# Altium PCB PCB_Kasli.PCBDOC (part 14 of 14)
Units mm, origin at the board's own origin, x right, y up, seen from the top; angles counter-clockwise.
Board outline 162.29 x 100 mm, 6 copper layers (TopLayer, MidLayer1, MidLayer2, SignalLayer1, Internal Plane 1, BottomLayer), stack 1.528 mm thick; 646 components, 567 nets, 2756 pads, 1560 vias.
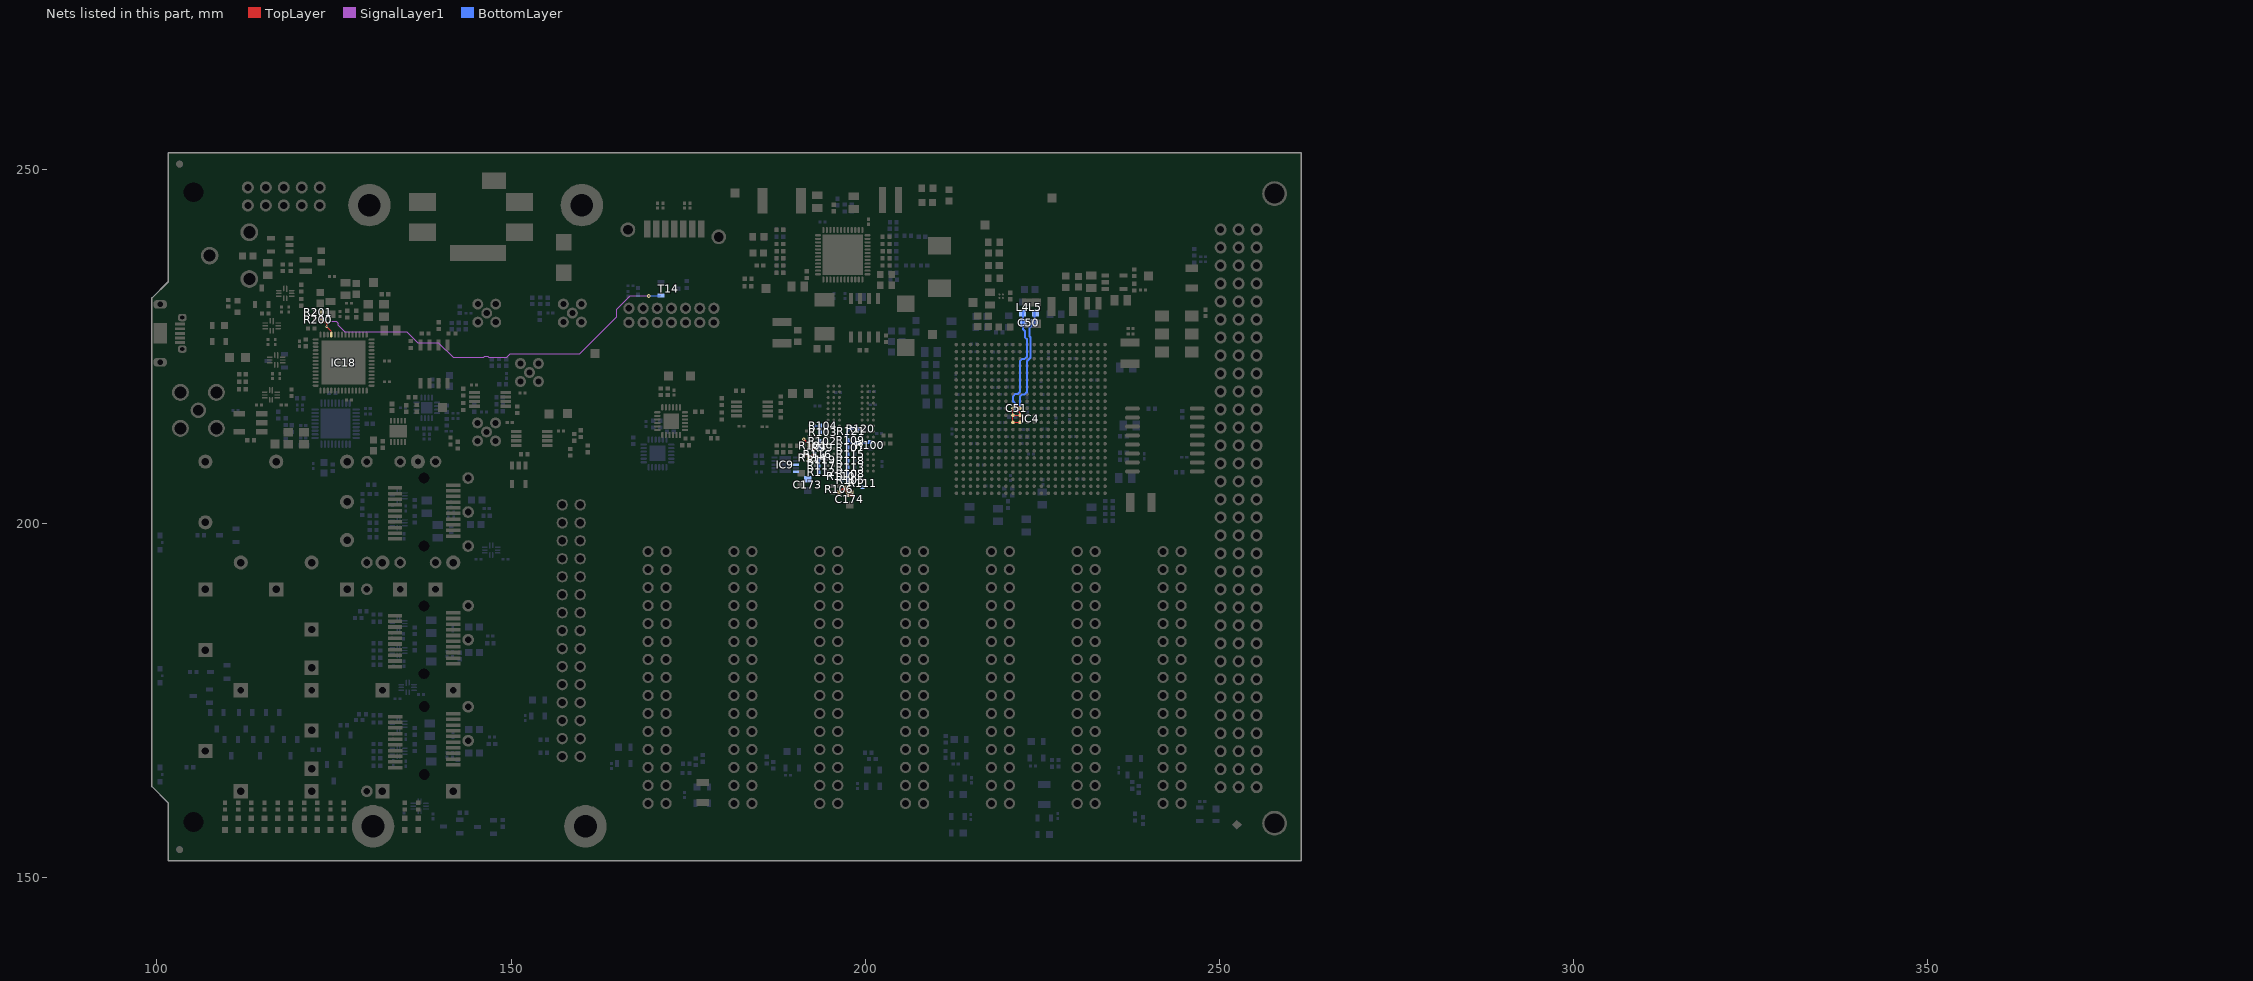
[diagram p18: the nets of this part, all layers, seen from the top]

## Via types
v1: diameter 0.5, hole 0.2, TopLayer to BottomLayer, tented both sides, 724 vias
v2: diameter 0.35, hole 0.15, TopLayer to BottomLayer, tented both sides, 628 vias
v3: diameter 0.8, hole 0.5, TopLayer to BottomLayer, tented both sides, 122 vias
v4: diameter 0.8, hole 0.5, TopLayer to BottomLayer, 66 vias
v5: diameter 0.5, hole 0.2, TopLayer to BottomLayer, 20 vias

## Nets (pads, with @x,y where several pads share a name; then routed paths per layer and width w, separated by ;. In a path a pad name is that pad's centre, name@x,y a point inside that pad or via, vN(x,y) a via of type N, cw(c..) or ccw(c..) an arc to the next point about the centre after c; other vN are vias at no path point) (continued)
VTT_DDR3: C173.2 C174.2 IC9.3 IC9.5 R99.2 R100.2 R101.2 R102.2 R103.2 R104.2 R105.2 R106.2 R107.2 R108.2 R109.2 R110.2 R111.2 R112.2 R113.2 R114.2 R115.2 R116.2 R117.2 R118.2 R119.2 R120.1 R121.1 | length 22.8
  TopLayer w0.2: v1(191.35,211.975) 192.18,211.145 R101.2@192.18,211.05 192.725,210.505 192.725,209.895 R114.2@192.13,209.3 v1(191.555,209.875)
  TopLayer w0.3: R106.2@196.35,204.43 197.145,205.225 v1(197.425,205.225) ; 197.025,204.925 197.425,204.925
  TopLayer w0.5: v1(197.425,205.225) 197.425,204.925 197.425,204.625 C174.2@197.8,204.25
  BottomLayer w0.15: 192.888,213.639 192.889,213.641 192.889,213.879 192.893,213.875 R104.2@193.605,213.875 R103.2@193.605,212.95
  BottomLayer w0.2: R109.2@197.53,211.775 198.029,211.276 198.824,211.276 199.034,211.485 199.759,211.485 199.834,211.41 200.705,211.41 R100.2@200.705,211.581
  BottomLayer w0.25: R112.2@193.405,207.275 R117.2@193.405,208.175 R119.2@193.405,209.05 ; R109.2@197.425,211.805 197.425,212.945 R121.1@198.025,213.545 R120.1@198.785,213.545 ; R105.2@197.53,206.175 R108.2@197.53,207.075 R113.2@197.53,208 R118.2@197.53,208.925 R115.2@197.53,209.85 R107.2@197.53,210.775 R109.2@197.53,211.7
VUSB_PRESENT: IC18.11 R200.2 R201.2 T14.1 | length 58.2
  TopLayer w0.125: R201.2@123.279,229.87 R200.2@123.279,228.854 123.983,228.15 v2(123.983,227.846) ; v2@123.95,227.881 v2(123.983,227.846) ; IC18.11@124.615,226.708 124.615,227.175 123.944,227.846 v2(123.983,227.846)
  SignalLayer1 w0.125: v2(123.983,227.846) 123.983,228.183 124.407,228.607 125.343,228.607 125.6,228.35 125.6,228.025 126.525,227.1 135.3,227.1 136.8,225.6 139.75,225.6 141.85,223.5 146.146,223.5 146.308,223.663 146.692,223.663 146.854,223.5 149.4,223.5 149.9,224 159.7,224 164.925,229.225 164.925,230.293 166.807,232.175 v1(169.45,232.175)
  BottomLayer w0.125: v1(169.45,232.175) 171.075,232.175 T14.1@171.15,232.25
XADC_GND: C50.1 C51.1 IC4.K9 IC4.L9 IC4.L10 IC4.M9 IC4.M10 L5.2 | length 21.4
  TopLayer w0.125: IC4.K9@220.872,216.315 IC4.L9@220.872,215.315 ; IC4.M10@221.9,214.3 IC4.M10@221.885,214.315 ; IC4.L9@220.872,215.315 IC4.M9@220.872,214.315 IC4.M10@221.872,214.315 IC4.M10@221.885,214.315 ; IC4.L9@220.872,215.315 IC4.L10@221.872,215.315 221.872,214.328 IC4.M10@221.885,214.315
  TopLayer w0.2: v2(221.387,215.8) 221.7,215.8 221.875,215.625 221.872,215.622 IC4.L10@221.872,215.315
  BottomLayer w0.2: v2(221.387,215.8) 221.387,215.859 221.805,216.277 C51.1@221.847,216.325
  BottomLayer w0.3: C51.1@221.847,216.325 221.847,217.962 222.175,218.29 222.519,218.29 222.85,218.621 222.85,222.95 223.339,223.439 223.339,226.359 223.201,226.496 223.201,227.705 223.9,228.404 L5.2@223.9,229.902
XADC_VCC: C50.2 C51.2 IC4.K10 L4.2 | length 16.1
  TopLayer w0.125: v2(221.361,216.836) 221.361,216.826 IC4.K10@221.872,216.315
  BottomLayer w0.2: C51.2@221.05,216.368 221.361,216.679 v2(221.361,216.836)
  BottomLayer w0.27: 220.897,217.299 220.897,218.012 221.225,218.34
  BottomLayer w0.28: 220.897,217.299 v2(221.361,216.836) ; 221.225,218.34 221.569,218.34
  BottomLayer w0.3: C51.2@221.05,216.325 C51.2@221.05,216.368 ; 221.569,218.34 221.847,218.618 221.847,222.962 222.175,223.29 222.519,223.29 222.847,223.618 222.847,226.048 222.548,226.348 222.548,227.225 222.298,227.475 222.298,229.9 L4.2@222.338,229.94
pads on no net: FTG1.FTG2 FTG2.1 FTG3.FTG2 FTG4.FTG2 FTG5.FTG2 FTG6.1 IC2.2 IC2.3 IC2.4 IC2.9 IC2.11 IC2.14 IC2.15 IC2.27 IC2.30 IC2.33 IC3.4 IC4.E3 IC4.F4 IC4.F21 IC4.T3 IC4.W19 IC4.Y17 IC5.5 IC8.J1 IC8.J9 IC8.L1 IC8.L9 IC8.M7 IC18.17 IC18.18 IC18.19 IC18.20 IC18.25 IC18.28 IC18.29 IC18.30 IC18.34 IC18.35 IC18.37 IC18.38 IC18.39 IC18.40 IC18.54 IC21.7 J8.12 J8.14 J21A.MTG1 J21A.MTG2 J21B.MTG1 J21B.MTG2 J21C.MTG1 J21C.MTG2 J22.MECH1 J22.MECH2 J23.4 J23.PastePad LD11A.3 LD11B.3 LD11C.3 OSC2.1 U2.3 U2.4 U2.5 U2.6 U2.11 U2.12 U2.13
copper on no net: | length 11798.1
  TopLayer w0.025: 272.391,152.512 335.926,216.047 ; 272.391,154.036 334.402,216.047 ; 272.391,155.56 332.878,216.047 ; 272.391,157.084 331.354,216.047 ; 272.391,158.608 329.83,216.047 ; 272.391,160.132 328.306,216.047 ; 272.391,161.656 326.782,216.047 ; 272.391,163.18 325.258,216.047 ; 272.391,164.704 323.734,216.047 ; 272.391,166.228 322.21,216.047 ; 272.391,167.752 320.686,216.047 ; 272.391,169.276 319.162,216.047 ; 272.391,170.8 317.638,216.047 ; 272.391,172.324 316.114,216.047 ; 272.391,173.848 314.59,216.047 ; 272.391,175.372 313.066,216.047 ; 272.39,176.896 311.542,216.047 ; 272.39,178.42 310.018,216.047 ; 272.39,179.944 308.494,216.047 ; 272.39,181.468 306.97,216.047 ; 272.39,182.992 305.446,216.047 ; 272.39,184.516 303.922,216.047 ; 272.39,186.04 302.398,216.047 ; 272.39,187.564 300.874,216.047 ; 272.39,189.088 299.35,216.047 ; 272.39,190.612 297.826,216.047 ; 272.39,192.136 296.302,216.047 ; 272.39,193.66 294.778,216.047 ; 272.39,195.184 293.254,216.047 ; 272.39,196.708 291.73,216.047 ; 272.39,198.232 290.206,216.047 ; 272.39,199.756 288.682,216.047 ; 272.485,151.083 337.45,216.047 ; 273.247,150.321 338.974,216.047 ; 274.009,149.559 340.498,216.047 ; 274.057,145.034 345.07,216.047 ; 274.057,146.558 343.546,216.047 ; 274.057,148.082 342.022,216.047 ; 274.057,202.946 287.158,216.047 ; 274.057,204.47 285.634,216.047 ; 274.057,205.994 284.11,216.047 ; 274.057,207.518 282.586,216.047 ; 274.057,209.042 281.062,216.047 ; 274.057,210.566 279.538,216.047 ; 274.057,212.09 278.014,216.047 ; 274.057,213.614 276.49,216.047 ; 274.057,215.138 274.966,216.047 ; 274.124,143.577 346.594,216.047 ; 275.648,143.577 348.118,216.047 ; 277.172,143.577 349.642,216.047 ; 278.696,143.577 351.166,216.047 ; 280.22,143.577 352.69,216.047 ; 281.744,143.577 354.214,216.047 ; 283.268,143.577 355.738,216.047 ; 284.792,143.577 357.262,216.047 ; 286.316,143.577 358.786,216.047 ; 287.84,143.577 360.31,216.047 ; 289.364,143.577 361.834,216.047 ; 290.888,143.577 363.358,216.047 ; 292.412,143.577 364.882,216.047 ; 293.936,143.577 366.406,216.047 ; 295.46,143.577 367.93,216.047 ; 296.984,143.577 369.454,216.047 ; 298.508,143.577 370.978,216.047 ; 300.032,143.577 372.502,216.047 ; 301.556,143.577 374.026,216.047 ; 303.08,143.577 375.55,216.047 ; 304.604,143.577 377.074,216.047 ; 306.128,143.577 378.598,216.047 ; 307.652,143.577 380.122,216.047 ; 309.176,143.577 381.646,216.047 ; 310.7,143.577 383.17,216.047 ; 312.224,143.577 384.694,216.047 ; 313.748,143.577 386.218,216.047 ; 315.272,143.577 387.742,216.047 ; 316.796,143.577 389.266,216.047 ; 318.32,143.577 389.961,215.219 ; 319.844,143.577 389.961,213.695 ; 321.368,143.577 389.961,212.171 ; 322.892,143.577 389.961,210.647 ; 324.416,143.577 389.961,209.123 ; 325.94,143.577 389.961,207.599 ; 327.464,143.577 389.961,206.075 ; 328.988,143.577 389.961,204.551 ; 330.512,143.577 389.961,203.027 ; 332.036,143.577 389.961,201.503 ; 333.56,143.577 389.961,199.979 ; 335.084,143.577 389.961,198.455 ; 336.608,143.577 389.961,196.931 ; 338.132,143.577 389.961,195.407 ; 339.656,143.577 389.961,193.883 ; 341.18,143.577 389.961,192.359 ; 342.704,143.577 389.961,190.835 ; 344.228,143.577 389.961,189.311 ; 345.752,143.577 389.961,187.787 ; 347.276,143.577 389.961,186.263 ; 348.8,143.577 389.961,184.739 ; 350.324,143.577 389.961,183.215 ; 351.848,143.577 389.961,181.691 ; 353.372,143.577 389.961,180.167 ; 354.896,143.577 389.961,178.643 ; 356.42,143.577 389.961,177.119 ; 357.944,143.577 389.961,175.595 ; 359.468,143.577 389.961,174.071 ; 360.992,143.577 389.961,172.547 ; 361.521,217.311 364.053,219.843 367.101,222.891 370.149,225.939 373.197,228.987 376.245,232.035 379.293,235.083 382.341,238.131 385.389,241.179 388.437,244.227 389.961,245.751 ; 361.521,218.835 362.529,219.843 365.577,222.891 368.625,225.939 371.673,228.987 374.721,232.035 377.769,235.083 380.817,238.131 383.865,241.179 386.913,244.227 389.961,247.275 ; 361.521,220.359 364.053,222.891 367.101,225.939 370.149,228.987 373.197,232.035 376.245,235.083 379.293,238.131 382.341,241.179 385.389,244.227 388.437,247.275 389.961,248.799 ; 361.521,221.883 362.529,222.891 365.577,225.939 368.625,228.987 371.673,232.035 374.721,235.083 377.769,238.131 380.817,241.179 383.865,244.227 386.913,247.275 389.961,250.323 ; 361.521,223.407 364.053,225.939 367.101,228.987 370.149,232.035 373.197,235.083 376.245,238.131 379.293,241.179 382.341,244.227 385.389,247.275 388.437,250.323 389.961,251.847 ; 361.521,224.931 362.529,225.939 365.577,228.987 368.625,232.035 371.673,235.083 374.721,238.131 377.769,241.179 380.817,244.227 383.865,247.275 386.913,250.323 389.961,253.371 ; 361.521,226.455 364.053,228.987 367.101,232.035 370.149,235.083 373.197,238.131 376.245,241.179 379.293,244.227 382.341,247.275 385.389,250.323 388.437,253.371 389.961,254.895 ; 361.521,227.979 362.529,228.987 365.577,232.035 368.625,235.083 371.673,238.131 374.721,241.179 377.769,244.227 380.817,247.275 383.865,250.323 386.913,253.371 389.961,256.419 ; 361.521,229.503 364.053,232.035 367.101,235.083 370.149,238.131 373.197,241.179 376.245,244.227 379.293,247.275 382.341,250.323 385.389,253.371 388.437,256.419 389.961,257.943 ; 361.521,231.027 362.529,232.035 365.577,235.083 368.625,238.131 371.673,241.179 374.721,244.227 377.769,247.275 380.817,250.323 383.865,253.371 386.913,256.419 389.961,259.467 ; 361.521,232.551 364.053,235.083 367.101,238.131 370.149,241.179 373.197,244.227 376.245,247.275 379.293,250.323 382.341,253.371 385.389,256.419 388.437,259.467 389.961,260.991 ; 361.521,234.075 362.529,235.083 365.577,238.131 368.625,241.179 371.673,244.227 374.721,247.275 377.769,250.323 380.817,253.371 383.865,256.419 386.913,259.467 389.961,262.515 ; 361.521,235.599 364.053,238.131 367.101,241.179 370.149,244.227 373.197,247.275 376.245,250.323 379.293,253.371 382.341,256.419 385.389,259.467 388.437,262.515 ; 361.521,237.123 362.529,238.131 365.577,241.179 368.625,244.227 371.673,247.275 374.721,250.323 377.769,253.371 380.817,256.419 383.865,259.467 386.913,262.515 ; 361.521,238.647 364.053,241.179 367.101,244.227 370.149,247.275 373.197,250.323 376.245,253.371 379.293,256.419 382.341,259.467 385.389,262.515 ; 361.521,240.171 362.529,241.179 365.577,244.227 368.625,247.275 371.673,250.323 374.721,253.371 377.769,256.419 380.817,259.467 383.865,262.515 ; 361.521,241.695 364.053,244.227 367.101,247.275 370.149,250.323 373.197,253.371 376.245,256.419 379.293,259.467 382.341,262.515 ; 361.521,243.219 362.529,244.227 365.577,247.275 368.625,250.323 371.673,253.371 374.721,256.419 377.769,259.467 380.817,262.515 ; 361.521,244.743 364.053,247.275 367.101,250.323 370.149,253.371 373.197,256.419 376.245,259.467 379.293,262.515 ; 361.521,246.267 362.529,247.275 365.577,250.323 368.625,253.371 371.673,256.419 374.721,259.467 377.769,262.515 ; 361.521,247.791 364.053,250.323 367.101,253.371 370.149,256.419 373.197,259.467 376.245,262.515 ; 361.521,249.315 362.529,250.323 365.577,253.371 368.625,256.419 371.673,259.467 374.721,262.515 ; 361.521,250.839 364.053,253.371 367.101,256.419 370.149,259.467 373.197,262.515 ; 361.521,252.363 362.529,253.371 365.577,256.419 368.625,259.467 371.673,262.515 ; 361.521,253.887 364.053,256.419 367.101,259.467 370.149,262.515 ; 361.521,255.411 362.529,256.419 365.577,259.467 368.625,262.515 ; 361.521,256.935 364.053,259.467 367.101,262.515 ; 361.521,258.459 362.529,259.467 365.577,262.515 ; 361.521,259.983 364.053,262.515 ; 361.521,261.507 362.529,262.515 ; 362.516,143.577 389.961,171.023 ; 362.529,216.795 365.577,219.843 368.625,222.891 371.673,225.939 374.721,228.987 377.769,232.035 380.817,235.083 383.865,238.131 386.913,241.179 389.961,244.227 ; 364.04,143.577 389.961,169.499 ; 364.053,216.795 367.101,219.843 370.149,222.891 373.197,225.939 376.245,228.987 379.293,232.035 382.341,235.083 385.389,238.131 388.437,241.179 389.961,242.703 ; 365.564,143.577 389.961,167.975 ; 365.577,216.795 368.625,219.843 371.673,222.891 374.721,225.939 377.769,228.987 380.817,232.035 383.865,235.083 386.913,238.131 389.961,241.179 ; 367.088,143.577 389.961,166.451 ; 367.101,216.795 370.149,219.843 373.197,222.891 376.245,225.939 379.293,228.987 382.341,232.035 385.389,235.083 388.437,238.131 389.961,239.655 ; 368.612,143.577 389.961,164.927 ; 368.625,216.795 371.673,219.843 374.721,222.891 377.769,225.939 380.817,228.987 383.865,232.035 386.913,235.083 389.961,238.131 ; 370.136,143.577 389.961,163.403 ; 370.149,216.795 373.197,219.843 376.245,222.891 379.293,225.939 382.341,228.987 385.389,232.035 388.437,235.083 389.961,236.607 ; 371.66,143.577 389.961,161.879 ; 371.673,216.795 374.721,219.843 377.769,222.891 380.817,225.939 383.865,228.987 386.913,232.035 389.961,235.083 ; 373.184,143.577 389.961,160.355 ; 373.197,216.795 376.245,219.843 379.293,222.891 382.341,225.939 385.389,228.987 388.437,232.035 389.961,233.559 ; 374.708,143.577 389.961,158.831 ; 374.721,216.795 377.769,219.843 380.817,222.891 383.865,225.939 386.913,228.987 389.961,232.035 ; 376.232,143.577 389.961,157.307 ; 376.245,216.795 379.293,219.843 382.341,222.891 385.389,225.939 388.437,228.987 389.961,230.511 ; 377.756,143.577 389.961,155.783 ; 377.769,216.795 380.817,219.843 383.865,222.891 386.913,225.939 389.961,228.987 ; 379.28,143.577 389.961,154.259 ; 379.293,216.795 382.341,219.843 385.389,222.891 388.437,225.939 389.961,227.463 ; 380.804,143.577 389.961,152.735 ; 380.817,216.795 383.865,219.843 386.913,222.891 389.961,225.939 ; 382.328,143.577 389.961,151.211 ; 382.341,216.795 385.389,219.843 388.437,222.891 389.961,224.415 ; 383.852,143.577 389.961,149.687 ; 383.865,216.795 386.913,219.843 389.961,222.891 ; 385.376,143.577 389.961,148.163 ; 385.389,216.795 388.437,219.843 389.961,221.367 ; 386.9,143.577 389.961,146.639 ; 386.913,216.795 389.961,219.843 ; 388.424,143.577 389.961,145.115 ; 388.437,216.795 389.961,218.319
  TopLayer w0.381: 272.391,219.843 282.802,219.843 308.703,219.843 330.541,219.843 347.047,219.843 361.521,219.843 389.961,219.843 ; 272.391,222.891 282.802,222.891 308.703,222.891 330.541,222.891 347.047,222.891 361.521,222.891 389.961,222.891 ; 272.391,225.939 282.802,225.939 308.703,225.939 330.541,225.939 347.047,225.939 361.521,225.939 389.961,225.939 ; 272.391,228.987 282.802,228.987 308.703,228.987 330.541,228.987 347.047,228.987 361.521,228.987 389.961,228.987 ; 272.391,232.035 282.802,232.035 308.703,232.035 330.541,232.035 347.047,232.035 361.521,232.035 389.961,232.035 ; 272.391,235.083 282.802,235.083 308.703,235.083 330.541,235.083 347.047,235.083 361.521,235.083 389.961,235.083 ; 272.391,238.131 282.802,238.131 308.703,238.131 330.541,238.131 347.047,238.131 361.521,238.131 389.961,238.131 ; 272.391,241.179 282.802,241.179 308.703,241.179 330.541,241.179 347.047,241.179 361.521,241.179 389.961,241.179 ; 272.391,244.227 282.802,244.227 308.703,244.227 330.541,244.227 347.047,244.227 361.521,244.227 389.961,244.227 ; 272.391,247.275 282.802,247.275 308.703,247.275 330.541,247.275 347.047,247.275 361.521,247.275 389.961,247.275 ; 272.391,250.323 282.802,250.323 308.703,250.323 330.541,250.323 347.047,250.323 361.521,250.323 389.961,250.323 ; 272.391,253.371 282.802,253.371 308.703,253.371 330.541,253.371 347.047,253.371 361.521,253.371 389.961,253.371 ; 272.391,256.419 282.802,256.419 308.703,256.419 330.541,256.419 347.047,256.419 361.521,256.419 389.961,256.419 ; 272.391,259.467 282.802,259.467 308.703,259.467 330.541,259.467 347.047,259.467 361.521,259.467 389.961,259.467 ; 272.391,262.515 389.961,262.515 ; 282.802,265.563 282.802,216.795 ; 308.703,265.563 308.703,216.795 ; 330.541,265.563 330.541,216.795 ; 347.047,265.563 347.047,216.795 ; 361.521,265.563 361.521,216.795 ; 282.802,216.795 308.703,216.795 ; 282.802,216.795 272.391,216.795 272.391,265.563 389.961,265.563 389.961,216.795 361.521,216.795 ; 308.703,216.795 330.541,216.795 ; 330.541,216.795 347.047,216.795 ; 347.047,216.795 361.521,216.795 ; 272.391,151.197 274.057,149.531 274.057,143.591 389.961,143.591 389.961,216.033 274.057,216.033 274.057,202.849 272.39,201.183 272.391,151.197

## Polygon pours and split planes (outlines as drawn)
P3V3 on MidLayer1 "P3V3_L02_P143" (solid, remove dead copper, pour order 143): 228.75,168.25 228.75,162.75 222.25,162.75 222.25,163.5 188.5,163.5 188.5,162.75 174,162.75 174,163.5 164.5,163.5 159.75,168.25 155.5,168.25 155.5,155.423 100.963,155.423 100.887,250.9 182.162,250.9 182.162,231.833 186.75,227.245 186.75,208.25 152.3,208.2 150.3,206.2 150.3,171.25 152.75,171.25 152.75,172.25 160,172.25 164,168.25
P12V0 on MidLayer1 "P12V0_L02_P136" (solid, pour order 136): 217.75,239.25 214.4,242.6 208.5,242.6 208.5,232.75 203.25,232.75 191.5,232.75 191.5,239.25 182.5,239.25 176.875,233.625 155.75,233.5 150,239.25 150,250.7 259.55,250.7 259.55,160.25 256.286,160.25 256.286,155.423 164.617,155.423 164.617,158.383 162.25,160.75 155.75,160.75 155.75,168 159.524,167.976 164.254,163.246 173.739,163.246 173.75,162.498 188.748,162.498 188.748,163.246 222,163.246 222,162.498 229,162.498 229,165.75 229,168 245,168 245,201.75 249.25,201.75 249.25,237.7 247.7,239.25
P1V0 on MidLayer1 "P1V0_L02_P145" (solid, remove dead copper, pour order 145): 217.25,208.25 217.75,208.25 218.25,207.75 218.25,205.5 218.75,205.5 218.75,204 218.25,204 218.25,202.75 219.75,202.75 219.75,208.5 219,208.5 219,209.75 219.75,209.75 222.25,209.75 222.25,219 222.25,220.5 218,220.5 217,221.5 217,230.5 212.75,230.5 212.75,223.047 214.25,222 214.25,219.25 218,219.25 218,211 217.25,211
P3V3_USB on MidLayer1 "P3V3_USB_L02_P138" (solid, pour order 138): 121.125,236.875 116.25,232 116.25,220.5 122.5,220.5 122.5,215.794 147.812,215.794 147.812,234.812 145.75,236.875
P2V5 on MidLayer1 "P2V5_L02_P142" (solid, remove dead copper, pour order 142): 214.344,242.4 217.486,239.25 219.5,239.25 219.5,234 234,234 234,232.4 249.713,232.4 249.713,201.695 244.745,201.695 244.745,168.187 164.186,168.314 160,172.5 152.5,172.5 152.5,171.5 150.511,171.5 150.511,206.023 152.5,208.012 186.75,208.012 186.75,203.75 206.595,203.75 213.775,210.93 217,211 217,208.012 217.762,208.012 217.985,207.75 217.985,205.246 218.5,205.26 218.5,204.345 217.985,204.345 217.985,202.497 220,202.497 220,208.75 219.25,208.75 219.25,209.5 222.25,209.5 222.224,201.006 225.25,201.006 225.25,206.999 226.247,206.997 226.25,209.25 223.994,209.25 223.994,211.256 225,211.256 225,220.25 224.25,220.25 224.25,221.5 225.769,221.5 225.769,224.519 227.25,226 227.25,229 222.25,229 220.5,230.75 210.5,230.75 210.5,232.75 208.75,232.75 208.75,242.4
P1V5 on MidLayer1 "P1V5_L02_P144" (solid, pour order 144): 182.5,239 182.5,231.75 187,227.25 187,203.995 ccw(c189.485,325.321) 189.485,203.969 ccw(c189.485,325.286) 192.22,204 202.598,204 206.299,203.969 213.58,211.25 217.75,211.25 217.75,219.05 214,219.05 214,221.75 212.5,222.813 212.5,230.5 210.25,230.5 210.25,232.5 191.25,232.5 191.25,239
P2V5_LDO on MidLayer1 "P2V5_LDO_L02_P137" (solid, remove dead copper, pour order 137): 135.5,221.5 143.5,221.5 143.5,210.75 142.125,209.375 129.5,209.375 129.5,205.5 121.5,205.5 121.5,207.5
MGTAVCC on MidLayer1 "MGTAVCC_L02_P141" (solid, pour order 141): 220.5,230.5 217.275,230.5 217.275,221.5 217.943,220.815 222.25,220.815 222.257,221.899 222.248,228.752
P3V3 on MidLayer1 "P3V3_L02_P139" (solid, pour order 139): 234.29,232.6 249,232.6 249,239.2 219.786,239.2 219.786,234.25 234.29,234.25
VCCAUX on MidLayer1 "VCCAUX_L02_P140" (solid, pour order 140): 227,228.75 222.507,228.75 222.507,211.743 222.507,205 222.507,201.25 225.031,201.25 224.981,207.233 226.25,207.233 226.261,209 223.75,209 223.775,211.486 224.79,211.486 224.79,220 224,220 223.999,221.75 225.5,221.75 225.5,224.5 227,226
GND on TopLayer "BAL_TOP" (solid, remove dead copper, pour order 177): 100.675,250.673 259.842,250.673 259.842,155.626 100.675,155.626
P12V0 on TopLayer "P12V0_L01_P131" (solid, remove dead copper, pour order 131): 148.75,247 148.75,243.819 148.819,243.75 153.25,243.75 154,243 154,233.5 164,233.5 164,250.25 151.75,250.25
NetC140_1 on TopLayer "NETC140_1_L01_P119" (solid, pour order 119): 196.75,235 194,235 194,233.25 192.75,233.25 192.75,231.5 196.75,231.5
P2V5_LDO on TopLayer "TopLayer-P2V5_LDO" (solid, pour order 130): 151.373,209.5 137.25,209.5 132.75,214 124.75,206 121.75,206 121.75,207.25 133.25,218.75 148.023,218.75 151.373,215.4
NetC135_2 on TopLayer "NETC135_2_L01_P111" (solid, pour order 111): 208.458,248.25 203.25,248.25 203.25,238.252 204.724,238.252 208.458,241.986 208.458,245.034
NetC202_2 on TopLayer "NETC202_2_L01_P135" (solid, remove dead copper, pour order 135): 116.75,240.75 112.75,240.75 112.75,236.25 116.75,236.25
P3V3 on TopLayer "P3V3_L01_P127" (solid, remove dead copper, pour order 127): 243.75,235.75 243.75,232.5 247.5,232.5 247.5,235.75
NetC155_1 on TopLayer "NETC155_1_L01_P126" (solid, remove dead copper, pour order 126): 188,240 188,237 191.75,237 194.75,240
P12V0 on TopLayer "P12V0_L01_P125" (solid, remove dead copper, pour order 125): 194.25,235.5 194.25,233.25 191.25,233.25 191.25,235.5
P3V3 on TopLayer "P3V3_L01_P124" (solid, remove dead copper, pour order 124): 222,234.25 218.5,234.25 218.5,240.5 222,240.5
NetC143_1 on TopLayer "NETC143_1_L01_P121" (solid, remove dead copper, pour order 121): 203,247.75 203,243.25 200.75,243.25 198.75,241.25 198.25,241.25 198.25,247.75
P3V3_USB on TopLayer "P3V3_USB_L01_P118" (solid, pour order 118): 124.587,234.823 118.313,234.823 118.313,237.425 124.587,237.425
NetC145_2 on TopLayer "NETC145_2_L01_P117" (solid, pour order 117): 195,226.5 186.461,226.5 186.461,232.232 192.768,232.232 195,230
VCCAUX on TopLayer "VCCAUX_L01_P115" (solid, remove dead copper, pour order 115): 231,234 225.75,234 224.25,232.5 224.25,226.25 231,226.25
NetC153_2 on TopLayer "NETC153_2_L01_P114" (solid, pour order 114): 184.25,248 184.25,237 187.808,237 187.808,248
NetC134_1 on TopLayer "NETC134_1_L01_P113" (solid, pour order 113): 207.104,235.5 207,233.25 200.279,233.25 200.279,229 213.75,229 213.75,235.5
NetC126_2 on TopLayer "NETC126_2_L01_P112" (solid, pour order 112): 217.856,241 207.965,241 203.416,236.474 203.429,236.461 203.429,233.426 206.75,233.426 206.75,235.737 214,235.737 214,233.426 217.856,233.426
NetFL1_1 on TopLayer "NETFL1_1_L01_P132" (solid, pour order 132): 133.5,249 141.5,249 141.5,243.4 133.5,243.4
NetFL1_3 on TopLayer "NETFL1_3_L01_P133" (solid, pour order 133): 133.5,243.2 141.5,243.2 141.5,238.5 133.5,238.5
P1V0 on TopLayer "P1V0_L01_P134" (solid, remove dead copper, pour order 134): 210,228 210,225.875 207.125,223 204,223 203.675,223.325 203.675,227.425 204.75,228.5 209.5,228.5
P2V5 on TopLayer "P2V5_L01_P122" (solid, remove dead copper, pour order 122): 214.925,246.25 214.925,240.075 212.8,240.075 212.8,241.175 209,241.175 209,246.25
GND on BottomLayer "BAL_BOT" (solid, remove dead copper, pour order 180): 107.696,251.35 256.286,251.35 256.286,244.323 260.096,244.323 260.096,160.503 256.286,160.503 256.286,155.423 108.306,155.423 108.229,155.499 108.204,155.524 108.204,157.799 108.204,160.452 108.153,160.503 108.077,160.579 101.1,160.579 101.1,244.323 107.696,244.323
GND on BottomLayer "GND_L06_P175" (solid, pour order 175): 127.5,165.25 127.5,175.25 105.5,175.25 105.5,165.25
P3V3 on BottomLayer "P3V3_L06_P159" (solid, remove dead copper, pour order 159): 222.021,238.608 222.021,234.29 219.939,232.207 193,232.207 193,238.25 186.75,238.25 186.75,232.207 180.525,232.207 180.525,250.25 206.061,250.25 218.542,238.709
P1V0 on BottomLayer "P1V0_L06_P153" (solid, remove dead copper, pour order 153): 209.187,222.75 204.75,222.75 204.75,228 212.121,228 222.174,218.44 222.174,209.296 211,209.296 211,208 209.187,208
NetC145_2 on BottomLayer "NETC145_2_L06_P155" (solid, remove dead copper, pour order 155): 204.25,223.3 204.25,228.25 214.5,228.25 223,228.25 223,234 202,234 202,231.25 192.617,231.25 192.617,223.3
NetC134_1 on BottomLayer "NETC134_1_L06_P151" (solid, pour order 151): 202,234.5 196.875,234.5 196.875,229.5 ccw(c198.502,229.852) 198.15,228.225 202,228.225
GND on BottomLayer "GND_L06_P169" (solid, remove dead copper, pour order 169): 130.019,177.387 130.019,189.844 132.25,192.075 151.625,192.075 154.85,188.85 154.85,185.225 143.55,173.925 138.595,173.925
GND on BottomLayer "GND_L06_P164" (solid, remove dead copper, pour order 164): 130.044,195.487 130.044,207.944 132.275,210.175 151.65,210.175 154.875,206.95 154.875,203.325 143.575,192.025 138.62,192.025
MGTAVTT on BottomLayer "MGTAVTT_L06_P156" (solid, pour order 156): 221.5,227 215,227 215,223 222.75,223 222.75,225.75
GND on BottomLayer "GND_L06_P174" (solid, remove dead copper, pour order 174): 130.044,163.062 130.25,177.75 151.65,177.75 154.875,174.525 154.875,170.9 143.575,159.6 138.62,159.6
NetC179C_2 on BottomLayer "NETC179C_2_L06_P172" (solid, pour order 172): 138.975,169 139.825,169.85 140.65,169.85 141.025,169.475 144.075,169.475 144.875,168.675 144.875,167.675 144.55,167.35 139.25,167.35 138.911,167.689 138.038,168.563
VTT_DDR3 on BottomLayer "VTT_DDR3_L06_P170" (solid, pour order 170): 194.1,214.275 193.3,214.275 193.075,214.05 190.975,212.125 191.1,210.25 190.925,208.7 190.075,208.7 189.8,208.425 189.8,207.15 191.15,205.8 192.45,205.8 194.7,203.55 198.8,203.55 200.125,204.875 200.075,204.925 200.075,205.775 198.25,205.775 198,206.025 198,213.075 199.125,213.075 199.35,213.3 199.325,213.325 199.325,213.825 199.2,213.95 197.675,213.95
P3V3 on BottomLayer "P3V3_L06_P166" (solid, pour order 166): 130.9,179.775 130.9,183.4 130.15,183.4 129.275,182.525 129.275,180.5 130,179.775
P3V3 on BottomLayer "P3V3_L06_P165" (solid, pour order 165): 130.125,197.825 130.125,201.45 129.375,201.45 128.5,200.575 128.5,198.55 129.225,197.825
VCCBRAM on BottomLayer "VCCBRAM_L06_P161" (solid, pour order 161): 224.372,221.474 226.5,224.5 226.5,234 222,234 222,213 224.372,213
NetC23_2 on BottomLayer "NETC23_2_L06_P160" (solid, pour order 160): 122.75,212.25 121.031,212.25 121.031,209.5 122.25,208 124.25,208 125.75,210.25 125.75,211.75
NetC145_2 on BottomLayer "NETC145_2_L06_P157" (solid, pour order 157): 189.75,231.25 186.995,231.25 186.995,237 188.239,237 188.239,235 189.5,235 189.75,234.75
MGTAVCC on BottomLayer "MGTAVCC_L06_P154" (solid, remove dead copper, pour order 154): 216.75,229.75 216.75,227.25 218.5,227.25 219.75,228.5 219.75,229.75
P3V3 on BottomLayer "P3V3_L06_P163" (solid, pour order 163): 145.2,199.35 146.275,199.35 146.575,199.65 146.575,204.075 145.275,204.075
P3V3 on BottomLayer "P3V3_L06_P173" (solid, pour order 173): 144.75,166.75 147.119,166.75 147.119,171.75 144.75,171.75
GND on BottomLayer "GND_L06_P176" (solid, pour order 176): 189.75,236 192.75,236 192.75,231.5 191.75,230.5 190,230.5 190,234.75 189.749,235.001
P3V3 on BottomLayer "P3V3_L06_P167" (solid, pour order 167): 144.922,181.275 145.825,181.275 147.333,182.783 147.035,185.362 145.05,185.95
NetC150_1 on BottomLayer "NETC150_1_L06_P158" (solid, remove dead copper, pour order 158): 188,238 188,235 189.194,235 189.576,236.25 192.75,236.25 192.75,238
P1V5 on BottomLayer "P1V5_L06_P152" (solid, remove dead copper, pour order 152): 211.75,218.367 209.446,218.367 209.5,225 210.75,225 211.75,224
NetC179A_2 on BottomLayer "NETC179A_2_L06_P162" (solid, pour order 162): 138.95,200.375 138.95,200.675 139.8,201.525 140.5,201.525 140.875,201.15 144.05,201.15 144.85,200.35 144.85,199.35 144.75,199.25 139,199.25 138.9,199.35
NetC179B_2 on BottomLayer "NETC179B_2_L06_P168" (solid, pour order 168): 138.95,183.325 139.8,184.175 140.625,184.175 141,183.8 144.05,183.8 144.85,183 144.85,182 144.525,181.675 139.225,181.675 138.886,182.014 138.013,182.888
GND on BottomLayer "GND_L06_P171" (solid, pour order 171): 209,218.25 207,218.25 205.25,220 205.25,221.75 209,224.75
P2V5 on MidLayer2 "P2V5_L03_P147" (solid, remove dead copper, pour order 147): 153.25,169.25 142.75,158.75 127,158.75 111.75,174 111.75,231.5 119.111,231.5 153.25,197.361
GND on MidLayer2 "ML2_BAL" (solid, remove dead copper, pour order 178): 100.925,251 107,251 107,239.25 108.75,237.5 111.5,234.75 111.5,229.25 111.5,173.5 113,172 126.75,158.25 137.75,158.25 143,158.25 145,160.25 153.75,169 153.75,174.5 153.75,197.5 152.25,199 126.06,225.19 126.06,250.524 259.75,250.676 259.75,155.511 100.925,155.332
NetFL1_1 on MidLayer2 "NETFL1_1_L03_P146" (solid, remove dead copper, pour order 146): 107.25,251.186 107.25,239.5 120.5,226.25 141.1,226.25 141.1,251.216
P12V0 on SignalLayer1 "P12V0_L04_P148" (solid, remove dead copper, pour order 148): 248.5,238.2 248.5,249.25 259.55,249.25 259.55,160.25 256.286,160.25 250.25,155.423 164.617,155.423 164.617,158.383 162.25,160.75 154.908,160.75 154.908,167.132 158,168.25 168.486,163.246 243.274,163.476 248.5,168.701
GND on SignalLayer1 "ML1_BAL" (solid, remove dead copper, pour order 179): 100.8,250.699 249.372,250.75 249.322,250.7 249.372,169.622 243.25,163.5 169.25,163.5 165,163.5 165,154.5 100.8,154.5
P3V3 on SignalLayer1 "P3V3_L04_P150" (solid, remove dead copper, pour order 150): 222.021,238.608 222.021,234.29 219.939,232.207 180.525,232.207 180.525,250.75 205.52,250.75 218.542,238.709
NetFL1_3 on SignalLayer1 "NETFL1_3_L04_P149" (solid, remove dead copper, pour order 149): 103,251.765 103,230.399 142.1,230.269 142.1,251.799
GND on Internal Plane 1 (split plane): 261.084,152.91 102.11,152.91 102.11,160.6 102.101,160.7 102.072,160.795 102.024,160.884 101.961,160.961 99.81,163.111 99.81,223.589 100.84,223.589 100.939,223.599 100.997,223.617 101.035,223.628 101.109,223.659 101.12,223.665 101.197,223.706 101.214,223.72 101.274,223.769 101.33,223.826 101.383,223.89 101.394,223.903 101.414,223.941 101.441,223.991 101.472,224.065 101.501,224.161 101.507,224.224 101.51,224.26 101.51,224.79 101.507,224.825 101.501,224.889 101.472,224.985 101.441,225.059 101.414,225.109 101.394,225.147 101.383,225.16 101.33,225.224 101.274,225.28 101.224,225.322 101.197,225.344 101.159,225.364 101.109,225.391 101.035,225.422 100.968,225.442 100.939,225.451 100.876,225.457 100.84,225.46 99.81,225.46 99.81,228.339 100.84,228.339 100.939,228.349 100.997,228.367 101.035,228.378 101.109,228.409 101.12,228.415 101.197,228.456 101.214,228.47 101.274,228.519 101.33,228.576 101.383,228.64 101.394,228.653 101.414,228.691 101.441,228.741 101.472,228.815 101.501,228.911 101.507,228.974 101.51,229.01 101.51,229.54 101.507,229.575 101.501,229.639 101.472,229.735 101.441,229.809 101.414,229.859 101.394,229.897 101.383,229.91 101.33,229.974 101.274,230.03 101.224,230.072 101.197,230.094 101.159,230.114 101.109,230.141 101.035,230.172 100.968,230.192 100.939,230.201 100.876,230.207 100.84,230.21 99.81,230.21 99.81,231.689 101.961,233.839 102.024,233.916 102.072,234.005 102.101,234.1 102.11,234.2 102.11,251.889 261.084,251.889

## Keep-outs
KeepOutLayer:
  lines w0.203: 101.4,163.6 101.4,231.1 103.9,233.6 103.9,244.3 103.923,244.323 107.696,244.323 107.696,250.75 256.286,250.75 256.286,244.323 260.096,244.323 260.096,160.503 256.286,160.503 256.286,155.423 107.696,155.423 107.696,160.503 104.497,160.503 102.8,162.2 101.4,163.6

## Other copper
TopLayer:
  rectangle net NetC155_1: 192.5,238.8 192.8,239.25
  rectangle net NetC134_1: 200.533,229 202.75,230.717
  rectangle net VCCAUX: 225.4,226.5 226.75,227.739
  pour cut-out: 194.1,234.498 194.1,233.969 195.25,233.969 195.25,234.5
  pour cut-out: 192.8,238.1 192.8,239.5 193.6,239.5 193.6,238.1
  text "Layer" at 273.915,263.277 h1.52
  text "Name" at 284.326,263.277 h1.52
  text "Material" at 310.227,263.277 h1.52
  text "Thickness" at 332.065,263.277 h1.52
  text "Constant" at 348.571,263.277 h1.52
  text "Board Layer Stack" at 363.045,263.277 h1.52
  text "1" at 273.915,260.229 h1.52
  text "TopOverlay" at 284.326,260.229 h1.52
  text "2" at 273.915,257.181 h1.52
  text "TopSolder" at 284.326,257.181 h1.52
  text "Solder Resist" at 310.227,257.181 h1.52
  text "0,89mil" at 332.065,257.181 h1.52
  text "3,5" at 348.571,257.181 h1.52
  text "3" at 273.915,254.133 h1.52
  text "TopLayer" at 284.326,254.133 h1.52
  text "Copper" at 310.227,254.133 h1.52
  text "2,09mil" at 332.065,254.133 h1.52
  text "4" at 273.915,251.085 h1.52
  text "Dielectric1" at 284.326,251.085 h1.52
  text "FR-4" at 310.227,251.085 h1.52
  text "4,33mil" at 332.065,251.085 h1.52
  text "4,2" at 348.571,251.085 h1.52
  text "5" at 273.915,248.037 h1.52
  text "MidLayer1" at 284.326,248.037 h1.52
  text "Copper" at 310.227,248.037 h1.52
  text "0,71mil" at 332.065,248.037 h1.52
  text "6" at 273.915,244.989 h1.52
  text "Dielectric2" at 284.326,244.989 h1.52
  text "FR-4" at 310.227,244.989 h1.52
  text "7,87mil" at 332.065,244.989 h1.52
  text "4,2" at 348.571,244.989 h1.52
  text "7" at 273.915,241.941 h1.52
  text "MidLayer2" at 284.326,241.941 h1.52
  text "Copper" at 310.227,241.941 h1.52
  text "0,71mil" at 332.065,241.941 h1.52
  text "8" at 273.915,238.893 h1.52
  text "Dielectric3" at 284.326,238.893 h1.52
  text "FR-4" at 310.227,238.893 h1.52
  text "28,74mil" at 332.065,238.893 h1.52
  text "4,2" at 348.571,238.893 h1.52
  text "9" at 273.915,235.845 h1.52
  text "SignalLayer1" at 284.326,235.845 h1.52
  text "Copper" at 310.227,235.845 h1.52
  text "0,71mil" at 332.065,235.845 h1.52
  text "10" at 273.915,232.797 h1.52
  text "Dielectric4" at 284.326,232.797 h1.52
  text "FR-4" at 310.227,232.797 h1.52
  text "7,87mil" at 332.065,232.797 h1.52
  text "4,2" at 348.571,232.797 h1.52
  text "11" at 273.915,229.749 h1.52
  text "Internal Plane 1" at 284.326,229.749 h1.52
  text "Copper" at 310.227,229.749 h1.52
  text "0,71mil" at 332.065,229.749 h1.52
  text "12" at 273.915,226.701 h1.52
  text "Dielectric5" at 284.326,226.701 h1.52
  text "FR-4" at 310.227,226.701 h1.52
  text "4,33mil" at 332.065,226.701 h1.52
  text "4,2" at 348.571,226.701 h1.52
  text "13" at 273.915,223.653 h1.52
  text "BottomLayer" at 284.326,223.653 h1.52
  text "Copper" at 310.227,223.653 h1.52
  text "2,09mil" at 332.065,223.653 h1.52
  text "14" at 273.915,220.605 h1.52
  text "BottomSolder" at 284.326,220.605 h1.52
  text "Solder Resist" at 310.227,220.605 h1.52
  text "0,89mil" at 332.065,220.605 h1.52
  text "3,5" at 348.571,220.605 h1.52
  text "15" at 273.915,217.557 h1.52
  text "BottomOverlay" at 284.326,217.557 h1.52
MidLayer1:
  rectangle net P3V3: 103.609,210.273 116.843,211.263
  pour cut-out: 157.45,174.025 157.625,173.85 157.625,173.675 157.45,173.675
  pour cut-out: 227.075,231.144 227.121,231.098 227.456,231.098 227.456,230.871 227.488,230.838 226.912,230.838
  pour cut-out: 220.283,233.752 220.283,234.242 220.275,234.25 220.725,234.25 220.725,233.717 220.748,233.693
MidLayer2:
  rectangle net P2V5: 213.005,240.303 214.922,242.02
  pour cut-out: 178.644,230.438 178.644,228.438 166.644,228.438 166.644,230.438
  pour cut-out: 201.407,241.215 201.412,241.21 201.412,240.838 201.988,240.838 201.984,240.843 201.984,241.215
  pour cut-out: 220.054,234.229 220.483,234.229 220.472,234.217 220.472,233.397 219.475,233.397
  pour cut-out: 125.123,233.344 125,233.344 125,232.818 125.344,232.818 125.344,233.123
  pour cut-out: 125.454,235.679 125.331,235.679 125.331,235.153 125.675,235.153 125.675,235.458
SignalLayer1:
  pour cut-out: 194.662,241.987 194.662,241.08 cw(c194.328,241.08) 194.564,240.845 195.707,240.845 ccw(c194.231,240.845) 195.275,241.888 195.201,241.962
  pour cut-out: 192.19,248.1 197.12,248.1 cw(c196.994,243.698) 200.197,246.722 192.81,246.722 cw(c192.81,247.599) 192.19,246.979
  pour cut-out: 125.449,235.568 125.387,235.505 125.387,235.238 125.963,235.238 125.995,235.27 125.995,235.698
  pour cut-out: 194.598,242.935 194.598,242.627 194.662,242.563 195.018,242.563 195.167,242.713 195.167,243.029
BottomLayer:
  rectangle net GND: 130.044,204.419 130.327,204.804
  rectangle net P1V5: 210.337,218.618 211.049,218.923
  rectangle net GND: 207.594,209.931 208.396,210.312
  rectangle net P3V3: 145,201 145.5,202.5
  rectangle net GND: 190.25,231 191.5,232
  rectangle net GND: 190.75,234.854 192.149,236
  pour cut-out: 210.848,225.109 210.848,224.687 211.27,224.687 ccw(c210.268,224.107)
  pour cut-out: 128.9,212.575 128.9,212.3 128.725,212.3 128.725,212.575
  pour cut-out: 134.437,187.109 134.55,187.109 134.536,186.628 134.437,186.628
  pour cut-out: 134.037,183.299 134.175,183.299 134.175,182.768 134.037,182.768
  pour cut-out: 133.637,183.299 133.775,183.299 133.775,182.768 133.637,182.768
  pour cut-out: 134.43,183.3 134.588,183.275 134.588,182.734 134.45,182.734
  pour cut-out: 133.647,201.324 133.785,201.324 133.785,200.793 133.647,200.793
  pour cut-out: 134.437,201.324 134.525,201.324 134.525,200.793 134.437,200.793
  pour cut-out: 134.047,201.324 134.185,201.324 134.185,200.793 134.047,200.793
  pour cut-out: 134.437,205.134 134.575,205.134 134.575,204.603 134.437,204.603
  pour cut-out: 134.43,169.076 134.588,169.051 134.588,168.51 134.45,168.51
  pour cut-out: 133.637,169.075 133.775,169.075 133.775,168.544 133.637,168.544
  pour cut-out: 134.037,169.075 134.175,169.075 134.175,168.544 134.037,168.544
  pour cut-out: 135.42,172.495 135.42,172.302 135.493,172.229

## Silkscreen, mask and mechanical layers (free items; w line width, h text height)
TopOverlay:
  drawing of 1233 lines, arcs and shapes, not listed
  text "FPGA JTAG" at 168.35,224.7 h1
  text "180 / phase" at 147.25,223.75 h1
  text "USB I2C" at 170.25,221.25 h1
  text "SDA" at 168,220.25 h1
  text "SCL" at 176.5,220.25 h1
  text "SDA" at 187.75,219.75 h1
  text "SCL" at 191,219.75 h1
  text "I2C SW" at 186.75,219.25 h1
  text "Si5324 I2C" at 152,216.75 h1
  text "SCL" at 151.3,214.8 h1
  text "SDA" at 159,214.75 h1
  text "P2V5" at 138.2,213.9 h1
  text "LDO" at 139,212.8 h1
  text "EXT0" at 153.8,203.4 h1 r90
  text "Kasli v1.1" at 176,202.4 h1.5
  text "P1" at 246.973,201.778 h1.52
  text "SFP0" at 146,201 h1
  text "EXT1" at 165.925,196.775 h1 r90
  text "EXT2" at 178.05,196.775 h1 r90
  text "EXT3" at 190.175,196.775 h1 r90
  text "EXT4" at 202.25,196.775 h1 r90
  text "EXT5" at 214.4,196.775 h1 r90
  text "EXT6" at 226.5,196.775 h1 r90
  text "EXT7" at 238.625,196.775 h1 r90
  text "SFP1" at 146.333,183 h1
  text "SFP2" at 146,168.75 h1
  text "WUT ISE 2018" at 140.5,156.7 h1.02
  text "Designed by Pawel Kulik" at 140.6,155.8 h0.6
  text "1" at 127.4,155.7 h0.7 r90
  text "2" at 135.99,155.7 h0.7 r90
  text "3" at 138,155.7 h0.7 r90
  text "1V0" at 112,153.25 h0.8 r90
  text "1V2" at 113.75,153.25 h0.8 r90
  text "1V5" at 115.5,153.25 h0.8 r90
  text "1V8" at 117.5,153.25 h0.8 r90
  text "2V5" at 119.25,153.25 h0.8 r90
  text "3V3" at 121.25,153.25 h0.8 r90
  text "LED" at 126.5,153.2 h0.7 r90
  text "LED" at 135.1,153.2 h0.7 r90
  text "LED" at 137.11,153.2 h0.7 r90
  text "PWR / GOOD" at 110.75,153 h0.7 r90
  text "12V0" at 123,152.75 h0.8 r90
  text "USER" at 127.4,152.7 h0.7 r90
  text "USER" at 135.99,152.7 h0.7 r90
  text "USER" at 138,152.7 h0.7 r90
  text "FPGA / DONE" at 125.398,152.5 h0.7 r90
Mechanical1:
  lines w0.15: 99.3,162.9 99.3,231.9 101.6,234.2 101.6,244.5 101.6,252.4 261.595,252.4 261.595,152.4 101.6,152.4 101.6,160.6 99.3,162.9
Mechanical13:
  lines w0.1: 99.06,152.4 99.06,254.508
Mechanical 20:
  lines w0.125: 102.325,163.25 102.325,231.675 104.125,233.475 104.125,244.075 107.881,244.075 107.881,250.55 256.45,250.55 259.9,247.1 259.9,160.725 256.075,160.725 256.075,155.6 108.025,155.6 108.025,160.925 104.65,160.925 102.325,163.25

## Dimensions
101.092,157.912 to 101.6,152.4 on Mechanical4
105.156,151.892 to 101.6,152.4 on Mechanical4

## Text inside footprints (layer, text, board x,y; h text height)
Cage1: Mechanical8 "Component and Trace Keep-Out / Except Cage Chassis Ground" at 106.14,163.004 h1 r90; Mechanical8 "1" at 134.94,187.279 h1 r270; Mechanical8 "10" at 134.94,180.429 h1 r270; Mechanical8 "11" at 139.54,180.729 h1 r270; Mechanical8 "20" at 139.54,188.117 h1 r270; Mechanical8 "1" at 134.94,173.029 h1 r270; Mechanical8 "10" at 134.94,166.179 h1 r270; Mechanical8 "11" at 139.54,166.479 h1 r270; Mechanical8 "20" at 139.54,173.867 h1 r270; DrillDrawing "PRESS-FIT" at 111.34,171.404 h1; DrillDrawing "13x diam. 1.05mm +/-0.05" at 108.54,167.804 h1; DrillDrawing "12x diam. 0.95mm +/-0.05" at 108.34,173.704 h1; DrillDrawing "TECHNOLOGY" at 110.54,169.504 h1
Cage2: DrillDrawing "1x diam. 0.85mm +/-0.05" at 106.34,206.163 h1; DrillDrawing "9x diam. 0.95mm +/-0.05" at 106.14,202.063 h1; DrillDrawing "10x diam. 1.05mm +/-0.05" at 105.54,204.288 h1; DrillDrawing "PRESS-FIT TECHNOLOGY" at 108.34,199.863 h1
IC8: Mechanical14 "L" at 193.367,211.249 h0.4; Mechanical14 "K" at 193.367,212.049 h0.4; Mechanical14 "M" at 193.367,210.449 h0.4; Mechanical14 "H" at 193.367,213.649 h0.4; Mechanical14 "G" at 193.367,214.449 h0.4; Mechanical14 "F" at 193.367,215.249 h0.4; Mechanical14 "E" at 193.367,216.049 h0.4; Mechanical14 "D" at 193.367,216.849 h0.4; Mechanical14 "C" at 193.367,217.649 h0.4; Mechanical14 "B" at 193.367,218.449 h0.4; Mechanical14 "N" at 193.367,209.649 h0.4; Mechanical14 "P" at 193.367,208.849 h0.4; Mechanical14 "R" at 193.367,208.049 h0.4; Mechanical14 "J" at 193.367,212.849 h0.4; Mechanical14 "T" at 193.367,207.249 h0.4; Mechanical14 "1" at 194.642,220.724 h0.4; Mechanical14 "2" at 195.442,220.724 h0.4; Mechanical14 "3" at 196.242,220.724 h0.4; Mechanical14 "7" at 199.442,220.724 h0.4; Mechanical14 "8" at 200.242,220.724 h0.4; Mechanical14 "9" at 201.042,220.724 h0.4
J8: TopOverlay "1" at 180.676,230.667 h1.02 r180; Mechanical14 "1" at 180.676,230.667 h1.02 r180
J9: TopOverlay "30" at 161.163,167.767 h1.02 r270; Mechanical14 "30" at 161.163,167.767 h1.02 r270
J10: TopOverlay "30" at 173.282,161.163 h1.02 r270; Mechanical14 "30" at 173.282,161.163 h1.02 r270
J11: TopOverlay "30" at 185.402,161.163 h1.02 r270; Mechanical14 "30" at 185.402,161.163 h1.02 r270
J12: TopOverlay "30" at 197.521,161.163 h1.02 r270; Mechanical14 "30" at 197.521,161.163 h1.02 r270
J13: TopOverlay "30" at 209.641,161.163 h1.02 r270; Mechanical14 "30" at 209.641,161.163 h1.02 r270
J14: TopOverlay "30" at 221.76,161.163 h1.02 r270; Mechanical14 "30" at 221.76,161.163 h1.02 r270
J15: TopOverlay "30" at 233.88,161.163 h1.02 r270; Mechanical14 "30" at 233.88,161.163 h1.02 r270
J16: TopOverlay "30" at 245.999,161.163 h1.02 r270; Mechanical14 "30" at 245.999,161.163 h1.02 r270
J20: TopOverlay "a" at 254.095,243.604 h1.2 r90; TopOverlay "b" at 252.52,243.634 h1.2 r90; TopOverlay "c" at 250.37,243.579 h1.2 r90; TopOverlay "1" at 248.48,240.95 h1.2; TopOverlay "32" at 246.7,162.164 h1.2; TopOverlay "5" at 247.825,230.875 h1.2; TopOverlay "10" at 246.775,218.044 h1.2; TopOverlay "15" at 246.8,205.444 h1.2; TopOverlay "20" at 246.7,192.644 h1.2; TopOverlay "25" at 246.7,179.944 h1.2; TopOverlay "30" at 246.7,167.244 h1.2; Mechanical14 "a" at 255.905,240.919 h1.2 r90; Mechanical14 "c" at 250.825,240.919 h1.2 r90; Mechanical14 "1" at 248.48,240.95 h1.2; Mechanical14 "32" at 246.7,162.164 h1.2; Mechanical14 "5" at 247.825,230.875 h1.2; Mechanical14 "10" at 246.775,218.044 h1.2; Mechanical14 "15" at 246.8,205.444 h1.2; Mechanical14 "20" at 246.7,192.644 h1.2; Mechanical14 "25" at 246.7,179.944 h1.2; Mechanical14 "30" at 246.7,167.244 h1.2; Mechanical14 "c" at 250.37,243.579 h1.2 r90; Mechanical14 "b" at 252.52,243.634 h1.2 r90; Mechanical14 "a" at 254.095,243.604 h1.2 r90; Mechanical8 "PCB" at 260.35,200.279 h1.2 r90
J23: Mechanical8 "PCB end" at 98.175,231.2 h0.5 r270; DrillDrawing "0.85" at 96.334,228.402 h1 r270; DrillDrawing "1.87" at 98.939,227.259 h1; DrillDrawing "r0.2" at 104.514,224.383 h1 r270
J24: TopOverlay "1" at 125.234,247.996 h1.2 r180; Mechanical14 "1" at 125.234,247.996 h1.2 r180